# KiCad board keyboard.kicad_pcb (continued)
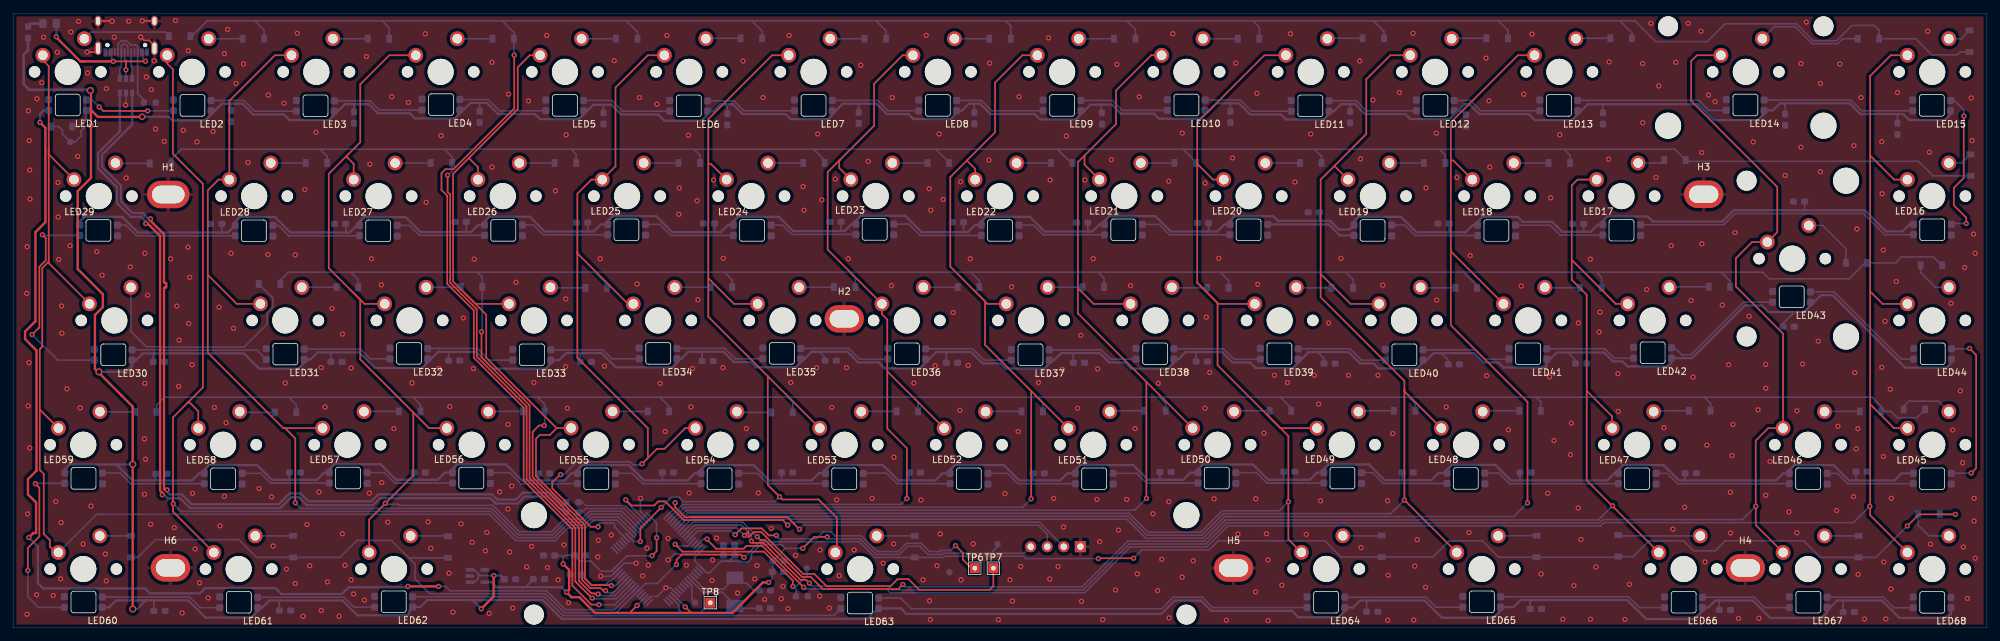
[diagram p0: board, top side]
## Nets
+3V3: C2.1 C3.2 C4.2 C5.2 C6.2 C7.2 C8.2 J2.4 TP1.1 U2.5 U3.1 U3.13 U3.19 U3.32 U3.48 U3.64
+5V: C1.1 C9.2 C10.2 C11.2 C12.2 C13.2 C14.2 C15.2 C16.2 C17.2 C18.2 C19.2 C20.2 C21.2 C22.2 C23.2 C24.2 C25.2 C26.2 C27.2 C28.2 C29.2 C30.2 C31.2 C32.2 C33.2 C34.2 C35.2 C36.2 C37.2 C38.2 C39.2 C40.2 C41.2 C42.2 C43.2 C44.2 C45.2 C46.2 C47.2 C48.2 C49.2 C50.2 C51.2 C52.2 C53.2 C54.2 C55.2 C56.2 C57.2 C58.2 C59.2 C60.2 C61.2 C62.2 C63.2 C64.2 C65.2 C66.2 C67.2 C68.2 D1.1 D_71.2 LED2.4 LED3.4 LED4.4 LED5.4 LED6.4 LED7.4 LED8.4 LED9.4 LED10.4 LED11.4 LED12.4 LED13.4 LED14.4 LED15.4 LED16.4 LED17.4 LED18.4 LED19.4 LED20.4 LED21.4 LED22.4 LED23.4 LED24.4 LED25.4 LED26.4 LED27.4 LED28.4 LED29.4 LED30.4 LED31.4 LED32.4 LED33.4 LED34.4 LED35.4 LED36.4 LED37.4 LED38.4 LED39.4 LED40.4 LED41.4 LED42.4 LED43.4 LED44.4 LED45.4 LED46.4 LED47.4 LED48.4 LED49.4 LED50.4 LED51.4 LED52.4 LED53.4 LED54.4 LED55.4 LED56.4 LED57.4 LED58.4 LED59.4 LED60.4 LED61.4 LED62.4 LED63.4 LED64.4 LED65.4 LED66.4 LED67.4 LED68.4 TP5.1 U2.1 U2.3
GND: C1.2 C2.2 C3.1 C4.1 C5.1 C6.1 C7.1 C8.1 C9.1 C10.1 C11.1 C12.1 C13.1 C14.1 C15.1 C16.1 C17.1 C18.1 C19.1 C20.1 C21.1 C22.1 C23.1 C24.1 C25.1 C26.1 C27.1 C28.1 C29.1 C30.1 C31.1 C32.1 C33.1 C34.1 C35.1 C36.1 C37.1 C38.1 C39.1 C40.1 C41.1 C42.1 C43.1 C44.1 C45.1 C46.1 C47.1 C48.1 C49.1 C50.1 C51.1 C52.1 C53.1 C54.1 C55.1 C56.1 C57.1 C58.1 C59.1 C60.1 C61.1 C62.1 C63.1 C64.1 C65.1 C66.1 C67.1 C68.1 C69.2 C70.2 C71.2 H1.1 H2.1 H3.1 H4.1 H5.1 H6.1 J1.A1 J1.A12 J1.B1 J1.B12 J1.S1 J2.1 LED1.2 LED2.2 LED3.2 LED4.2 LED5.2 LED6.2 LED7.2 LED8.2 LED9.2 LED10.2 LED11.2 LED12.2 LED13.2 LED14.2 LED15.2 LED16.2 LED17.2 LED18.2 LED19.2 LED20.2 LED21.2 LED22.2 LED23.2 LED24.2 LED25.2 LED26.2 LED27.2 LED28.2 LED29.2 LED30.2 LED31.2 LED32.2 LED33.2 LED34.2 LED35.2 LED36.2 LED37.2 LED38.2 LED39.2 LED40.2 LED41.2 LED42.2 LED43.2 LED44.2 LED45.2 LED46.2 LED47.2 LED48.2 LED49.2 LED50.2 LED51.2 LED52.2 LED53.2 LED54.2 LED55.2 LED56.2 LED57.2 LED58.2 LED59.2 LED60.2 LED61.2 LED62.2 LED63.2 LED64.2 LED65.2 LED66.2 LED67.2 LED68.2 R1.1 R4.1 TP4.1 U1.2 U2.2 U3.12 U3.18 U3.31 U3.47 U3.63
VBUS: F1.1 J1.A4 J1.A9 J1.B4 J1.B9 U1.5
BOOT0: R4.2 TP2.1 U3.60
col0: K_0.1 K_15.1 K_30.1 K_44.1 K_59.1 U3.40
col1: K_1.1 K_45.1 K_60.1 U3.41
col2: K_2.1 K_16.1 K_31.1 K_46.1 U3.42
col3: K_3.1 K_17.1 K_32.1 K_47.1 K_61.1 U3.43
col4: K_4.1 K_18.1 K_33.1 K_48.1 U3.28
col5: K_5.1 K_19.1 K_34.1 K_49.1 U3.38
col6: K_6.1 K_20.1 K_35.1 K_50.1 K_62.1 U3.39
col7: K_7.1 K_21.1 K_36.1 K_51.1 U3.50
col8: K_8.1 K_22.1 K_37.1 K_52.1 U3.51
col9: K_9.1 K_23.1 K_38.1 K_53.1 U3.52
col10: K_10.1 K_24.1 K_39.1 K_54.1 K_63.1 U3.53
col11: K_11.1 K_25.1 K_40.1 K_55.1 K_64.1 U3.54
col12: K_12.1 K_26.1 K_41.1 U3.55
col13: K_27.1 K_42.1 K_56.1 K_65.1 U3.56
col14: K_13.1 K_28.1 K_57.1 K_66.1 U3.57
col15: K_14.1 K_29.1 K_43.1 K_58.1 K_67.1 U3.62
D+: R3.1 U1.1
D-: R2.2 U1.3
LED-IN: LED1.3 U3.23
MCU-D+: R3.2 U3.45
MCU-D-: R2.1 U3.44
NRST: TP3.1 U3.7
OSC_IN: C70.1 U3.5 Y1.1
OSC_OUT: C71.1 U3.6 Y1.2
row0: D_0.1 D_1.1 D_2.1 D_3.1 D_4.1 D_5.1 D_6.1 D_7.1 D_8.1 D_9.1 D_10.1 D_11.1 D_12.1 D_13.1 D_14.1 U3.24
row1: D_15.1 D_16.1 D_17.1 D_18.1 D_19.1 D_20.1 D_21.1 D_22.1 D_23.1 D_24.1 D_25.1 D_26.1 D_27.1 D_29.1 U3.25
row2: D_28.1 D_30.1 D_31.1 D_32.1 D_33.1 D_34.1 D_35.1 D_36.1 D_37.1 D_38.1 D_39.1 D_40.1 D_41.1 D_42.1 D_43.1 U3.26
row3: D_44.1 D_45.1 D_46.1 D_47.1 D_48.1 D_49.1 D_50.1 D_51.1 D_52.1 D_53.1 D_54.1 D_55.1 D_56.1 D_57.1 D_58.1 U3.27
row4: D_59.1 D_60.1 D_61.1 D_62.1 D_63.1 D_64.1 D_65.1 D_66.1 D_67.1 U3.22
SCL: TP7.1 U3.58
SDA: TP6.1 U3.59
SWCLK: J2.3 U3.49
SWDIO: J2.2 U3.46
TIM2_1: TP8.1 U3.14
VCAP: C69.1 U3.30
Net-(D1-Pad2): D1.2 F1.2
Net-(D_0-Pad2): D_0.2 K_0.2
Net-(D_1-Pad2): D_1.2 K_1.2
Net-(D_2-Pad2): D_2.2 K_2.2
Net-(D_3-Pad2): D_3.2 K_3.2
Net-(D_4-Pad2): D_4.2 K_4.2
Net-(D_5-Pad2): D_5.2 K_5.2
Net-(D_6-Pad2): D_6.2 K_6.2
Net-(D_7-Pad2): D_7.2 K_7.2
Net-(D_8-Pad2): D_8.2 K_8.2
Net-(D_9-Pad2): D_9.2 K_9.2
Net-(D_10-Pad2): D_10.2 K_10.2
Net-(D_11-Pad2): D_11.2 K_11.2
Net-(D_12-Pad2): D_12.2 K_12.2
Net-(D_13-Pad2): D_13.2 K_13.2
Net-(D_14-Pad2): D_14.2 K_14.2
Net-(D_15-Pad2): D_15.2 K_15.2
Net-(D_16-Pad2): D_16.2 K_16.2
Net-(D_17-Pad2): D_17.2 K_17.2
Net-(D_18-Pad2): D_18.2 K_18.2
Net-(D_19-Pad2): D_19.2 K_19.2
Net-(D_20-Pad2): D_20.2 K_20.2
Net-(D_21-Pad2): D_21.2 K_21.2
Net-(D_22-Pad2): D_22.2 K_22.2
Net-(D_23-Pad2): D_23.2 K_23.2
Net-(D_24-Pad2): D_24.2 K_24.2
Net-(D_25-Pad2): D_25.2 K_25.2
Net-(D_26-Pad2): D_26.2 K_26.2
Net-(D_27-Pad2): D_27.2 K_27.2
Net-(D_28-Pad2): D_28.2 K_28.2
Net-(D_29-Pad2): D_29.2 K_29.2
Net-(D_30-Pad2): D_30.2 K_30.2
Net-(D_31-Pad2): D_31.2 K_31.2
Net-(D_32-Pad2): D_32.2 K_32.2
Net-(D_33-Pad2): D_33.2 K_33.2
Net-(D_34-Pad2): D_34.2 K_34.2
Net-(D_35-Pad2): D_35.2 K_35.2
Net-(D_36-Pad2): D_36.2 K_36.2
Net-(D_37-Pad2): D_37.2 K_37.2
Net-(D_38-Pad2): D_38.2 K_38.2
Net-(D_39-Pad2): D_39.2 K_39.2
Net-(D_40-Pad2): D_40.2 K_40.2
Net-(D_41-Pad2): D_41.2 K_41.2
Net-(D_42-Pad2): D_42.2 K_42.2
Net-(D_43-Pad2): D_43.2 K_43.2
Net-(D_44-Pad2): D_44.2 K_44.2
Net-(D_45-Pad2): D_45.2 K_45.2
Net-(D_46-Pad2): D_46.2 K_46.2
Net-(D_47-Pad2): D_47.2 K_47.2
Net-(D_48-Pad2): D_48.2 K_48.2
Net-(D_49-Pad2): D_49.2 K_49.2
Net-(D_50-Pad2): D_50.2 K_50.2
Net-(D_51-Pad2): D_51.2 K_51.2
Net-(D_52-Pad2): D_52.2 K_52.2
Net-(D_53-Pad2): D_53.2 K_53.2
Net-(D_54-Pad2): D_54.2 K_54.2
Net-(D_55-Pad2): D_55.2 K_55.2
Net-(D_56-Pad2): D_56.2 K_56.2
Net-(D_57-Pad2): D_57.2 K_57.2
Net-(D_58-Pad2): D_58.2 K_58.2
Net-(D_59-Pad2): D_59.2 K_59.2
Net-(D_60-Pad2): D_60.2 K_60.2
Net-(D_61-Pad2): D_61.2 K_61.2
Net-(D_62-Pad2): D_62.2 K_62.2
Net-(D_63-Pad2): D_63.2 K_63.2
Net-(D_64-Pad2): D_64.2 K_64.2
Net-(D_65-Pad2): D_65.2 K_65.2
Net-(D_66-Pad2): D_66.2 K_66.2
Net-(D_67-Pad2): D_67.2 K_67.2
Net-(D_71-Pad1): D_71.1 LED1.4
Net-(J1-PadA5): J1.A5 J1.B5 R1.2
Net-(J1-PadA6): J1.A6 J1.B6 U1.6
Net-(J1-PadA7): J1.A7 J1.B7 U1.4
Net-(LED1-Pad1): LED1.1 LED2.3
Net-(LED2-Pad1): LED2.1 LED3.3
Net-(LED3-Pad1): LED3.1 LED4.3
Net-(LED4-Pad1): LED4.1 LED5.3
Net-(LED5-Pad1): LED5.1 LED6.3
Net-(LED6-Pad1): LED6.1 LED7.3
Net-(LED7-Pad1): LED7.1 LED8.3
Net-(LED8-Pad1): LED8.1 LED9.3
Net-(LED10-Pad1): LED10.1 LED11.3
Net-(LED10-Pad3): LED9.1 LED10.3
Net-(LED11-Pad1): LED11.1 LED12.3
Net-(LED12-Pad1): LED12.1 LED13.3
Net-(LED13-Pad1): LED13.1 LED14.3
Net-(LED14-Pad1): LED14.1 LED15.3
Net-(LED15-Pad1): LED15.1 LED16.3
Net-(LED16-Pad1): LED16.1 LED17.3
Net-(LED17-Pad1): LED17.1 LED18.3
Net-(LED18-Pad1): LED18.1 LED19.3
Net-(LED19-Pad1): LED19.1 LED20.3
Net-(LED20-Pad1): LED20.1 LED21.3
Net-(LED21-Pad1): LED21.1 LED22.3
Net-(LED22-Pad1): LED22.1 LED23.3
Net-(LED23-Pad1): LED23.1 LED24.3
Net-(LED24-Pad1): LED24.1 LED25.3
Net-(LED25-Pad1): LED25.1 LED26.3
Net-(LED26-Pad1): LED26.1 LED27.3
Net-(LED27-Pad1): LED27.1 LED28.3
Net-(LED28-Pad1): LED28.1 LED29.3
Net-(LED29-Pad1): LED29.1 LED30.3
Net-(LED30-Pad1): LED30.1 LED31.3
Net-(LED31-Pad1): LED31.1 LED32.3
Net-(LED32-Pad1): LED32.1 LED33.3
Net-(LED33-Pad1): LED33.1 LED34.3
Net-(LED34-Pad1): LED34.1 LED35.3
Net-(LED35-Pad1): LED35.1 LED36.3
Net-(LED36-Pad1): LED36.1 LED37.3
Net-(LED37-Pad1): LED37.1 LED38.3
Net-(LED38-Pad1): LED38.1 LED39.3
Net-(LED39-Pad1): LED39.1 LED40.3
Net-(LED40-Pad1): LED40.1 LED41.3
Net-(LED41-Pad1): LED41.1 LED42.3
Net-(LED42-Pad1): LED42.1 LED43.3
Net-(LED43-Pad1): LED43.1 LED44.3
Net-(LED44-Pad1): LED44.1 LED45.3
Net-(LED45-Pad1): LED45.1 LED46.3
Net-(LED46-Pad1): LED46.1 LED47.3
Net-(LED47-Pad1): LED47.1 LED48.3
Net-(LED48-Pad1): LED48.1 LED49.3
Net-(LED49-Pad1): LED49.1 LED50.3
Net-(LED50-Pad1): LED50.1 LED51.3
Net-(LED51-Pad1): LED51.1 LED52.3
Net-(LED52-Pad1): LED52.1 LED53.3
Net-(LED53-Pad1): LED53.1 LED54.3
Net-(LED54-Pad1): LED54.1 LED55.3
Net-(LED55-Pad1): LED55.1 LED56.3
Net-(LED56-Pad1): LED56.1 LED57.3
Net-(LED57-Pad1): LED57.1 LED58.3
Net-(LED58-Pad1): LED58.1 LED59.3
Net-(LED59-Pad1): LED59.1 LED60.3
Net-(LED60-Pad1): LED60.1 LED61.3
Net-(LED61-Pad1): LED61.1 LED62.3
Net-(LED62-Pad1): LED62.1 LED63.3
Net-(LED63-Pad1): LED63.1 LED64.3
Net-(LED64-Pad1): LED64.1 LED65.3
Net-(LED65-Pad1): LED65.1 LED66.3
Net-(LED66-Pad1): LED66.1 LED67.3
Net-(LED67-Pad1): LED67.1 LED68.3

Pads without a net: J1 A8 B8; LED68 1; U2 4; U3 2 3 4 8 9 10 11 15 16 17 20 21 29 33 34 35 36 37 61

## Via types
v1: diameter 0.8, hole 0.4, Top to Bottom, 577 vias
v2: diameter 1, hole 0.6, Top to Bottom, 1 via
v3: diameter 1.1, hole 0.7, Top to Bottom, 4 vias

## Routing (per net, layer and track width the routed paths; a pad name or vN(x,y) marks a point on that pad's centre or on a via; arc(x,y) is an arc through that point)
+3V3: length 159.6
  Top w0.25: v1(103.03,3.22) 103.95,2.3 104.03,2.3 ; v1(98.63,13.83) 98.63,11.76 v1(97.93,11.06) ; 94.74,2.3 94.74,2.55 v1(95.63,3.44) ; v1(121.03,12.2) 122.77,13.94 v1(124.78,13.94)
  Top w0.35: v1(84.3,9.82) 85.22,8.89 85.22,5.86 v1(84.84,5.47) 85.6,4.71 86.8,4.71 89.21,2.3 110.24,2.3 114.91,6.97 v1(115.8,6.97)
  Bottom w0.25: 84.3,10.83 84.61,11.14 C8.2 86.95,10.22 88.57,10.22 90.09,8.7 91.72,8.7 U3.32 94.09,11.06 97.46,11.06 ; 84.3,10.83 v1(84.3,9.82) ; 84.3,10.83 84.03,11.11 C2.1 ; 149.1,11.44 149.86,11.44 150.88,12.46 TP1.1 ; 149.1,11.44 154.94,11.44 J2.4 ; 149.1,11.44 142.56,11.44 142.38,11.26 140.2,11.26 138.94,12.52 137.1,12.52 135.83,11.26 132.27,11.26 129.85,13.67 125.06,13.67 v1(124.78,13.94) ; v1(115.8,6.97) 116.36,7.53 C3.2 116.46,8.7 C6.2 118.34,12.2 ; 97.92,11.06 97.46,11.06 ; 97.46,11.06 v1(97.93,11.06) ; U3.13 101.31,4.94 v1(103.03,3.22) ; 109.09,10.22 108.53,10.22 106.76,8.44 106.3,8.44 105.56,9.18 U3.1 104.47,10.25 104.47,10.86 105.51,11.91 ; 109.09,10.22 111.57,10.22 111.73,10.07 112.6,10.07 113.16,10.63 113.16,11.31 114.61,12.77 117.77,12.77 118.34,12.2 ; 109.09,10.22 109.7,10.22 C4.2 C5.2 ; 118.34,12.2 v1(121.03,12.2) ; U3.19 96.78,4.59 v1(95.63,3.44) ; 78.03,6.24 78.51,6.24 79.73,7.45 C7.2 ; U3.48 98.62,16.1 98.62,13.84 v1(98.63,13.83)
  Bottom w0.35: v1(84.84,5.47) 84.07,6.24 74.11,6.24 73.33,7.02 U2.5
+5V: length 1797.6
  Top w0.35: v3(11.84,82.37) 11.94,82.27 11.94,79.4 ; v1(73.68,8.03) 73.66,8.01 73.66,4.84 v1(71.75,2.93) ; 11.94,79.4 11.94,79.39 13,78.32 19.76,78.32 v2(19.79,78.35) ; 11.94,79.4 v1(11.94,77.02) 11.94,68.97 9.91,66.94 v1(9.91,64.05) 9.91,55 13.77,51.14 13.77,49.19 12.55,47.97 12.55,39.71 13.08,39.18 ; 13.08,39.18 v3(13.16,39.26) ; 13.08,39.18 18.34,33.92 v3(18.34,25.08) v3(18.34,2.91)
  Bottom w0.25: C19.2 222.06,79.26 LED12.4 ; 51.04,60.61 50.99,60.65 C24.2 ; 271.33,80.41 271.59,80.15 C21.2 ; C37.2 183.23,61.01 182.99,60.76 ; 186.57,80.41 186.56,80.4 C10.2 ; 145.67,60.66 145.67,60.66 C32.2 ; C14.2 71.5,80.4 71.57,80.47 ; C39.2 239.45,41.04 238.54,41.95 238.54,42.21 ; C35.2 164.72,60.99 164.95,60.76 ; 166.77,80.2 166.77,79.05 C11.2 ; 33.33,80.35 33.33,79.39 C15.2 ; 107.56,60.66 107.51,60.72 C36.2 ; 288.8,77.36 288.8,78.69 288.87,78.76 ; C52.2 143.03,42.09 142.83,42.29 ; 90.51,80.17 90.49,80.15 C17.2 ; 108.97,80.28 109.09,80.28 109.47,79.9 C16.2 ; 261.37,4.21 261.48,4.1 C65.2 ; C53.2 219.95,41.04 218.89,42.11 ; C59.2 137.34,22.68 137.41,22.61 ; 71.18,8.43 71.58,8.03 v1(73.68,8.03) ; 71.18,8.43 70.69,8.92 U2.3 ; 71.18,8.43 71.29,8.32 71.29,7.58 70.73,7.02 U2.1 ; 22.03,22.61 21.9,22.74 C41.2 ; C28.2 220.09,60.91 220.35,60.65 ; C30.2 21.49,41.95 21.62,42.08 ; 42.38,22.71 42.34,22.75 C47.2 ; D_71.2 6.98,76.85 7.58,76.25 7.58,75.69 TP5.1 9.53,74.49 10.43,75.39 10.43,76.16 11.29,77.02 v1(11.94,77.02) ; C60.2 212.88,22.72 212.95,22.65 ; C56.2 21.58,4.13 21.68,4.24 ; C51.2 99.49,22.76 99.64,22.61 ; 147.06,80.35 147.32,80.09 C12.2 ; 240.92,60.72 240.73,60.91 C31.2 ; 243.54,80.26 243.65,80.15 C23.2 ; 274.5,64.01 274.57,64.08 274.57,65.35 ; 127.42,60.81 127.09,60.81 126.91,60.99 126.91,62.24 ; 230.96,22.61 230.94,22.63 C66.2 ; C58.2 256.25,22.77 256.09,22.61 ; C63.2 117.78,22.61 117.78,22.61 ; 194.72,22.71 194.74,22.73 C57.2 ; C46.2 162.49,42.02 162.6,42.13 ; C42.2 124.45,41.44 123.56,42.34 122.78,42.34 ; C29.2 88.07,60.85 88.16,60.76 ; 156.54,22.61 156.33,22.82 C54.2 ; C44.2 80.51,22.82 80.46,22.77 80.46,22.61 ; 87.02,42.13 87.02,41.94 86.92,41.85 C45.2 ; 48.89,42.23 48.7,42.05 C27.2 ; C50.2 181.32,42.24 181.28,42.29 ; C26.2 200.22,62.49 200.31,62.4 ; 274.5,48.42 273.03,48.42 271.26,46.65 C43.2 ; 105.7,42.34 105.59,42.23 C49.2 ; 32.11,60.61 32,60.72 C20.2 ; 232.8,4.27 232.53,4 C64.2 ; C62.2 280.47,4.07 280.61,4.21 ; 61.37,22.71 61.46,22.79 C48.2 ; C68.2 207.44,3.88 207.77,4.2 ; 175.86,22.71 175.76,22.82 C55.2 ; C40.2 200.9,41.3 199.92,42.29 ; 66.75,42.31 66.74,42.3 C25.2 ; 69.23,60.67 69.47,60.91 C33.2 ; 205.18,80.28 204.91,80.02 C9.2 ; C13.2 129.6,80.28 129.53,80.35 ; 52.07,80.28 52.26,80.09 C18.2 ; 40.95,4.2 40.82,4.07 C67.2 ; 282.5,22.61 282.44,22.68 C61.2
  Bottom w0.35: LED68.4 296.99,2.11 296.42,1.54 289.11,1.54 286.43,4.21 279.56,4.21 278.47,3.12 LED67.4 278,2.35 277.19,1.54 269.29,1.54 266.62,4.21 260.91,4.21 259.82,3.12 LED66.4 258.89,2.57 257.67,1.36 250.3,1.36 247.38,4.27 231.03,4.27 229.95,3.19 LED65.4 227.97,2.64 226.89,1.56 218.98,1.56 216.34,4.2 206.42,4.2 205.34,3.12 LED64.4 204.09,2.57 203.15,1.64 196.98,1.64 195.99,2.62 183.63,2.62 182.04,4.21 178.04,4.21 175.98,2.16 136.92,2.16 136.08,3 LED63.4 132.58,3 130.99,1.41 84.07,1.41 81.19,4.29 69.55,4.29 ; 10.93,63.01 16.74,63.01 19.13,60.61 32.96,60.61 LED28.4 34.05,62.25 34.78,62.98 40.13,62.98 42.49,60.62 48.29,60.62 48.29,60.61 51.58,60.61 52.67,61.7 LED27.4 53.1,62.25 53.81,62.96 60.17,62.96 62.45,60.67 70.18,60.67 71.27,61.76 LED26.4 72.28,62.31 72.99,63.02 79.2,63.02 81.46,60.76 88.97,60.76 90.06,61.85 LED25.4 91.15,62.4 91.86,63.11 98.57,63.11 101.02,60.66 108.48,60.66 109.56,61.75 LED24.4 110.4,62.3 111.11,63.01 117.36,63.01 119.56,60.81 127.42,60.81 128.51,61.9 LED23.4 129.2,62.45 129.92,63.17 136.76,63.17 139.27,60.66 146.32,60.66 147.41,61.75 LED22.4 148.4,62.3 149.11,63.01 155.84,63.01 157.45,61.39 157.45,61.37 158.07,60.76 165.42,60.76 166.51,61.85 LED21.4 167.3,62.4 168.01,63.11 175.07,63.11 177.42,60.76 184.57,60.76 185.66,61.85 LED20.4 186.5,62.4 187.21,63.11 193.11,63.11 193.82,62.4 201.87,62.4 203.19,61.07 204.83,61.07 LED19.4 205.5,62.3 206.21,63.01 212.72,63.01 215.08,60.65 222.61,60.65 223.7,61.73 LED18.4 224.47,62.28 225.18,63 230.61,63 231.38,62.23 235.9,62.23 237.41,60.72 241.78,60.72 242.86,61.8 LED17.4 243.65,62.35 244.36,63.06 250.52,63.06 251.28,62.3 261.98,62.3 263.7,64.01 283.8,64.01 287.04,60.77 289.59,60.77 290.68,61.86 LED16.4 ; 10.93,63.01 10.93,63.02 v1(9.91,64.05) ; 10.93,63.01 10.22,62.3 LED29.4 ; LED44.4 297.07,40.65 296.31,39.89 289.99,39.89 278.87,51.01 277.09,51.01 276,49.92 275.45,49.92 275.45,49.37 274.5,48.42 269.01,48.42 268.01,49.42 265.39,49.42 257.31,41.35 LED42.4 254.14,40.61 253.62,40.09 247.42,40.09 246.66,40.85 245.19,40.85 243.84,42.21 236.6,42.21 235.59,41.2 LED41.4 235.04,40.16 234.8,39.91 228.45,39.91 227.66,40.7 225.33,40.7 223.91,42.13 223.04,42.13 223.02,42.11 217.7,42.11 216.64,41.05 LED40.4 216.09,40.75 215.12,39.78 209.28,39.78 208.51,40.55 206.43,40.55 204.69,42.29 198.46,42.29 198.45,42.28 198.45,42.16 197.49,41.2 LED39.4 196.94,40.65 196.13,39.84 190.42,39.84 189.56,40.7 186.88,40.7 185.29,42.29 179.71,42.29 178.62,41.2 LED38.4 177.89,40.65 176.98,39.74 171.32,39.74 170.36,40.7 167.98,40.7 166.54,42.13 160.66,42.13 159.57,41.05 LED37.4 158.79,40.5 158.05,39.76 152.1,39.76 151.31,40.55 148.57,40.55 146.83,42.29 141.48,42.29 140.39,41.2 LED36.4 139.84,40.65 138.98,39.79 133.57,39.79 132.66,40.7 129.52,40.7 127.89,42.34 122.4,42.34 121.32,41.25 LED35.4 120.69,40.7 119.95,39.96 113.79,39.96 113.01,40.75 110.47,40.75 108.89,42.34 103.5,42.34 102.42,41.25 LED34.4 101.74,40.61 101.07,39.94 92.38,39.94 90.19,42.13 84.76,42.13 83.67,41.05 LED33.4 82.38,40.5 81.63,39.74 73.54,39.74 70.96,42.31 65.15,42.31 64.09,41.25 LED32.4 63.54,40.7 62.68,39.84 55.45,39.84 53.06,42.23 46.66,42.23 45.57,41.15 LED31.4 44.59,40.6 43.73,39.74 37.72,39.74 35.38,42.08 19.88,42.08 18.85,41.05 LED30.4 18.22,40.11 17.37,39.26 v3(13.16,39.26) ; v2(19.79,78.35) 23.85,78.35 24.41,77.79 29.43,77.79 30.35,78.71 LED2.4 30.9,79.26 31.99,80.35 35.16,80.35 36.81,78.7 41.53,78.7 42.39,77.84 48.4,77.84 49.21,78.65 LED3.4 49.79,79.2 50.87,80.28 54.54,80.28 55.93,78.89 60.78,78.89 61.58,78.09 67.71,78.09 68.45,78.84 68.45,79.39 69,79.39 70.09,80.47 72.63,80.47 74.34,78.76 79.98,78.76 80.76,77.98 86.04,77.98 86.43,78.04 86.77,78.04 87.44,78.71 LED5.4 88.01,79.26 88.93,80.17 91.72,80.17 93.2,78.7 98.84,78.7 99.8,77.74 105.52,77.74 106.43,78.65 LED6.4 107.35,79.2 108.42,80.28 110.29,80.28 111.81,78.76 118.38,78.76 119.16,77.98 124.94,77.98 125.54,78.59 LED7.4 126.09,79.26 127.18,80.35 132.32,80.35 133.9,78.76 137.23,78.76 137.99,78 143.7,78 144.59,78.89 LED8.4 145.39,79.26 146.48,80.35 148.19,80.35 149.78,78.76 156.58,78.76 157.4,77.94 162.87,77.94 163.64,78.71 LED9.4 164.19,79.26 165.13,80.2 168.41,80.2 169.78,78.82 174.86,78.82 175.64,78.05 181.96,78.05 182.69,78.77 LED10.4 183.34,79.32 184.43,80.41 187.88,80.41 189.59,78.7 194.29,78.7 195.05,77.94 200.83,77.94 201.68,78.78 201.68,79.2 202.44,79.2 203.53,80.28 205.66,80.28 207.18,78.76 213.38,78.76 214.15,77.99 220.13,77.99 220.85,78.71 LED12.4 221.44,79.26 222.46,80.28 223.19,80.28 224.71,78.76 232.28,78.76 233.2,77.84 238.9,77.84 239.78,78.71 LED13.4 240.33,79.26 241.33,80.26 258.26,80.26 260.68,77.84 267.42,77.84 268.35,78.77 LED14.4 269.7,79.32 270.79,80.41 281.48,80.41 283.13,78.76 289.68,78.76 290.6,77.84 296.05,77.84 296.93,78.71 LED15.4 ; 15.42,25.06 15.82,25.06 18.27,22.61 27.45,22.61 28.54,23.7 LED58.4 29.32,24.25 30.04,24.96 37.41,24.96 39.65,22.71 46.61,22.71 46.61,22.72 47.69,23.8 LED57.4 48.48,24.35 49.21,25.08 56.33,25.08 58.7,22.71 65.09,22.71 66.18,23.8 LED56.4 67.37,24.35 68.09,25.06 75.56,25.06 78.01,22.61 84.5,22.61 85.59,23.7 LED55.4 86.53,24.25 87.24,24.96 94.35,24.96 96.7,22.61 103.4,22.61 104.48,23.7 LED54.4 105.42,24.25 106.13,24.96 113.5,24.96 115.85,22.61 122.39,22.61 123.48,23.7 LED53.4 124.52,24.25 125.24,24.97 133.31,24.97 135.67,22.61 141.34,22.61 142.43,23.7 LED52.4 143.62,24.25 144.34,24.96 151.86,24.96 154.21,22.61 160.49,22.61 161.58,23.7 LED51.4 162.83,24.25 163.54,24.96 171.69,24.96 173.61,23.04 173.61,23.02 173.92,22.71 179.34,22.71 180.43,23.8 LED50.4 181.62,24.35 182.33,25.06 190.01,25.06 192.36,22.71 198.75,22.71 199.83,23.8 LED49.4 200.88,24.35 201.59,25.06 207.79,25.06 210.2,22.65 217.38,22.65 218.47,23.74 LED48.4 219.79,24.29 220.5,25 227.16,25 229.54,22.61 244.31,22.61 245.4,23.7 LED47.4 246.04,24.25 246.75,24.96 252.95,24.96 255.3,22.61 270.22,22.61 271.31,23.7 LED46.4 272.25,24.25 272.96,24.96 279.01,24.96 281.36,22.61 288.36,22.61 289.45,23.7 LED45.4 ; 15.42,25.06 8.7,25.06 7.94,24.3 LED59.4 ; 15.42,25.06 18.31,25.06 v3(18.34,25.08) ; 69.55,4.29 63.5,4.29 62.41,3.2 LED62.4 61.2,3.09 60.68,2.57 60.68,2.22 60.4,1.94 52.76,1.94 50.5,4.2 39.27,4.2 38.18,3.11 LED61.4 37.46,2.56 36.49,1.59 29.49,1.59 26.84,4.24 20.36,4.24 ; 69.55,4.29 70.4,4.29 v1(71.75,2.93) ; 20.36,4.24 19.03,2.91 v3(18.34,2.91) ; 20.36,4.24 15.8,4.24 14.71,3.15 LED60.4 ; v1(73.68,8.03) 74.73,8.03 C1.1
  Bottom w0.425: v3(11.84,82.37) 11.74,82.47 2.48,82.47 1.62,83.34 1.62,87.85 2.31,88.54 D1.1
GND: length 34
  Top w0.25: v1(19.56,90.56) 19.56,90.56 20.08,90.04 20.87,90.04 21.67,89.24 J1.S1 ; J1.S1 15.13,93.02 v1(15.18,92.98) ; J1.S1 21.65,93.04 v1(19.81,93.04) ; v1(11.35,88.26) 12.45,88.26 J1.S1
  Bottom w0.25: C5.1 C4.1 ; v1(96.16,19.87) 96.16,17.86 U3.47 ; v1(17.25,80.12) 17.31,80.19 U1.2 ; U3.12 100.78,6.16 v1(100.05,6.16) 98.72,4.83 97.75,4.83 U3.18 ; 20.4,88.63 20.7,88.63 ; v1(90.04,7.94) 91.67,7.94 U3.31 93.65,9.92 v1(95.5,9.92) ; U3.63 105.18,12.24 104.27,11.32 101.35,11.32 100.46,10.43 v1(100.41,10.43) ; 14,88.63 14.3,88.63
  vias: v1(2.1,51.28) v1(2.16,58.43) v1(2.22,17.49) v1(2.16,2.09) v1(2.34,34.03) v1(2.35,79.26) v1(2.48,74.69) v1(2.54,70.18) v1(2.45,40.65) v1(2.6,65.73) v1(2.57,27.6) v1(3.62,5.09) v1(3.67,81.11) v1(4.39,83.58) v1(4.67,90.52) v1(6.16,4.97) v1(6.54,19.38) v1(6.77,88.23) v1(6.88,68.26) v1(6.91,62.98) v1(6.98,56.48) v1(7.29,7.53) v1(7.43,49.35) v1(7.37,16.14) v1(7.49,45.16) v1(8.26,36.65) v1(8.74,58.58) v1(8.86,91.35) v1(9.91,72.28) v1(10.03,92.96) v1(10.29,33.73) v1(10.74,12.86) v1(11.42,85.06) v1(11.94,18.68) v1(12.83,57.67) v1(13.65,54.05) v1(14.15,11.34) v1(14.31,82.67) v1(14.3,7.23) v1(15.52,90.54) v1(17.34,68.97) v1(17.72,92.98) v1(17.97,55.32) v1(20.13,28.97) v1(20.14,20.48) v1(20.19,57.42) v1(20.19,37.48) v1(20.29,25.87) v1(20.42,84.45) v1(20.64,51) v1(21.08,15.89) v1(21.21,82.51) v1(21.62,86.92) v1(21.84,76.47) v1(23.18,74.56) v1(24.16,56.58) v1(24.7,15.38) v1(24.9,93.09) v1(25.1,49.34) v1(25.37,37.02) v1(25.45,44.11) v1(25.91,2.3) v1(26.1,76.28) v1(26.8,58.36) v1(26.86,88.47) v1(26.92,46.65) v1(27.08,53.73) v1(27.43,40.35) v1(27.51,20.64) v1(27.91,12.1) v1(28.19,74.5) v1(28.57,6.92) v1(29.9,4.6) v1(30.67,76.09) v1(30.86,33.79) v1(31.56,49.16) v1(31.72,15.66) v1(32.38,88.02) v1(32.38,20.18) v1(32.64,31.44) v1(32.87,91.73) v1(33.4,57.42) v1(33.78,45.92) v1(34.16,83.45) v1(35.31,86.44) v1(36,71.32) v1(37.69,21.37) v1(39.12,81.67) v1(39.05,57.23) v1(39.62,20.08) v1(39.85,12.56) v1(41.53,80.4) v1(41.72,37.54) v1(41.91,9.03) v1(43.24,57.16) v1(43.24,6.81) v1(43.56,91.13) v1(44.45,1.79) v1(44.7,67.2) v1(45.03,15.86) v1(45.47,9.54) v1(46.42,75.96) v1(46.89,20.81) v1(47.22,39.92) v1(47.24,2.68) v1(47.82,33.86) v1(48.2,7.06) v1(48.9,48.97) v1(49.97,1.79) v1(50.48,45.03) v1(50.47,14.44) v1(50.86,9.6) v1(51.82,39.84) v1(51.82,7.38) v1(52.2,5.22) v1(53.85,4.27) v1(54.17,87.58) v1(54.61,20.66) v1(54.67,71.07) v1(54.93,56.59) v1(56.45,52.59) v1(56.52,22.29) v1(57.43,16.22) v1(58.04,81.42) v1(58.36,30.56) v1(60.58,80.53) v1(61.15,37.54) v1(63.18,91.07) v1(63.31,65.23) v1(63.63,16.27) v1(64.03,12.2) v1(65.28,39.76) v1(65.6,75.45) v1(66.8,8.39) v1(66.93,33.92) v1(67.44,2.43) v1(68.66,15.96) v1(69.02,47.51) v1(70.36,13.12) v1(70.56,39.76) v1(70.68,56.53) v1(72.39,11.82) v1(72.62,14.64) v1(72.96,2.23) v1(73.41,86.69) v1(73.41,70.62) v1(74.57,20.87) v1(75.84,18.22) v1(75.95,81.8) v1(75.88,31.19) v1(76.1,11.64) v1(76.43,21.75) v1(76.58,3.06) v1(77.09,52.97) v1(78.71,9.36) v1(78.99,80.78) v1(79.47,12.5) v1(79.82,37.6) v1(81.79,90.82) v1(81.9,9.26) v1(83.12,67) v1(83.54,7.38) v1(84.45,12.74) v1(84.71,50.43) v1(84.68,40.04) v1(84.77,75.58) v1(84.96,33.67) v1(85.13,3.88) v1(89.62,10.89) v1(89.7,13.43) v1(89.98,56.59) v1(90.63,40.12) v1(91.69,14.24) v1(92.14,86.94) v1(95.63,52.72) v1(96.01,81.29) v1(96.49,7.99) v1(97.16,12.2) v1(97.36,9.61) v1(98.68,80.28) v1(99.19,37.48) v1(99.95,30.11) v1(100.2,90.82) v1(100.41,13.73) v1(102.04,63.39) v1(102.11,67.45) v1(103.2,9.61) v1(103.5,75.51) v1(103.61,20.69) v1(103.89,33.86) v1(104.14,39.76) v1(104.84,65.48) v1(104.97,50.3) v1(107.11,7.28) v1(107.19,10.43) v1(107.37,68.64) v1(107.82,13.78) v1(108.84,56.65) v1(108.79,39.89) v1(111.02,5.35) v1(111.89,86.88) v1(112.4,30.56) v1(113.67,7.53) v1(114.02,9.56) v1(114.22,20.69) v1(114.94,81.29) v1(115.19,4.38) v1(116.21,15.25) v1(117.73,4.48) v1(117.98,6.36) v1(118.75,2.96) v1(118.94,90.82) v1(119.19,37.6) v1(119.91,11.14) v1(121.09,67.64) v1(121.22,64.02) v1(123.14,39.89) v1(123.32,75.7) v1(123.62,4.89) v1(123.7,11.95) v1(123.95,65.61) v1(125.09,3.06) v1(125.48,33.79) v1(126.01,68.8) v1(126.24,19.65) v1(126.62,8.01) v1(127.74,39.89) v1(128.02,56.59) v1(128.91,11.95) v1(129.92,86.25) v1(131.06,71.51) v1(131.65,19.85) v1(133.35,9.92) v1(133.48,1.28) v1(134.62,52.46) v1(134.75,81.29) v1(135,26.17) v1(134.96,12.9) v1(138.05,37.54) v1(139.14,19.62) v1(139.45,7.38) v1(139.95,90.82) v1(140.4,67.32) v1(140.45,4.15) v1(140.59,1.28) v1(140.65,64.02) v1(141.33,40.19) v1(141.61,9.54) v1(141.92,75.7) v1(142.11,14.41) v1(142.56,65.67) v1(144.08,48.34) v1(145.1,33.35) v1(145.21,68.39) v1(145.29,7.38) v1(146.38,40.25) v1(146.69,56.59) v1(147.16,12.9) v1(149.54,71.7) v1(149.67,86.56) v1(151,1.28) v1(152.02,20.59) v1(152.78,7.38) v1(153.03,52.27) v1(153.15,4.11) v1(154.05,30.11) v1(154.18,81.42) v1(154.43,9.41) v1(157.16,37.6) v1(158.69,90.44) v1(158.94,68.66) v1(158.88,7.51) v1(159.49,19.85) v1(160.15,9.41) v1(160.81,39.61) v1(161,15.47) v1(161.42,75.39) v1(163.13,33.67) v1(163.64,44.84) v1(163.74,4.08) v1(164.26,68.64) v1(165.54,56.59) v1(166.09,19.7) v1(166.22,39.71) v1(166.52,13.22) v1(167,1.28) v1(168.34,71.77) v1(168.96,5.8) v1(169.16,86.37) v1(169.42,15) v1(170.66,19.7) v1(171.26,52.46) v1(171.96,30.56) v1(172.29,8.29) v1(172.59,81.42) v1(174.7,17.51) v1(175.41,5.73) v1(175.51,37.48) v1(176.05,10.51) v1(177.1,68.47) v1(177.11,19.37) v1(177.17,1.54) v1(177.74,91.07) v1(179.2,75.83) v1(179.17,7.78) v1(179.86,39.23) v1(180.87,10.31) v1(182.7,68.19) v1(182.69,33.67) v1(182.88,47.64) v1(183.39,39.15) v1(184.07,19.8) v1(184.78,56.65) v1(185.95,1.18) v1(186.88,72.02) v1(187.39,86.56) v1(187.73,14.39) v1(190.44,5.54) v1(190.45,19.8) v1(190.63,81.93) v1(190.75,52.65) v1(191.71,29.86) v1(192.1,14.44) v1(192.34,10.43) v1(192.35,1.13) v1(193.32,38.72) v1(194.44,6.55) v1(195.33,37.6) v1(195.77,91.07) v1(196.47,68.34) v1(198.2,14.34) v1(198.88,75.7) v1(199.44,38.72) v1(200.09,34.3) v1(200.38,19.49) v1(201.61,46.75) v1(203.52,56.65) v1(204.67,38.72) v1(206.38,86.88) v1(206.5,71.89) v1(206.58,12.31) v1(208.41,80.91) v1(209.17,38.72) v1(209.93,52.53) v1(210.67,19.49) v1(210.67,1.18) v1(210.76,8.08) v1(211.46,29.79) v1(212.47,82.05) v1(214.57,91.13) v1(214.66,1.23) v1(214.82,9.47) v1(215.2,13.54) v1(216.53,67.45) v1(216.47,6.24) v1(218.12,75.83) v1(218.19,50.24) v1(219.65,33.86) v1(221.26,69.05) v1(223.14,14.62) v1(223.33,57.07) v1(225.74,87.32) v1(225.83,38.67) v1(226.19,80.78) v1(226.31,70.62) v1(229.17,30.37) v1(231.14,52.4) v1(231.52,81.8) v1(232.79,91.01) v1(234.19,8.27) v1(235.2,20.64) v1(235.48,38.47) v1(235.65,65.93) v1(236.16,28.71) v1(237.05,75.58) v1(237.52,1.33) v1(238.7,26.56) v1(238.82,31.38) v1(239.2,6.49) v1(239.9,46.75) v1(239.88,18.38) v1(240.28,13.54) v1(241.74,56.53) v1(241.76,1.33) v1(242.57,9.35) v1(243.08,45.35) v1(243.21,48.4) v1(244.53,71.84) v1(244.6,86.75) v1(245.95,38.98) v1(246,33.18) v1(247.02,1.31) v1(247.71,6.68) v1(249.75,86.5) v1(249.76,77.43) v1(250.37,51.88) v1(251.02,92.66) v1(251.79,69.05) v1(252.22,83.07) v1(253.01,30.7) v1(254.13,58.58) v1(254.38,15.15) v1(254.83,86.69) v1(256.18,18.5) v1(256.73,92.66) v1(257.17,50.2) v1(257.48,38.47) v1(258.7,91.45) v1(258.8,72.86) v1(258.83,58.88) v1(259.31,10.12) v1(259.59,28.02) v1(259.84,81.67) v1(260.86,80.66) v1(261.95,49.49) v1(262.92,40.35) v1(263.19,20.79) v1(263.22,14.54) v1(263.46,26.43) v1(263.59,31.19) v1(263.91,60.59) v1(264.44,1.46) v1(266.06,47.76) v1(266.7,74.5) v1(267.44,33.44) v1(267.56,1.49) v1(268.6,40.4) v1(268.6,36.74) v1(268.6,20.33) v1(269.27,25.51) v1(271.59,69.35) v1(272.16,17.79) v1(273.38,33.29) v1(273.38,14.59) v1(274,86.5) v1(274,73.67) v1(274.26,40.46) v1(274.83,92.85) v1(276.67,43.95) v1(276.99,83.45) v1(276.99,69.93) v1(279.48,18) v1(279.68,30.9) v1(279.97,86.44) v1(282.12,73.93) v1(282.07,20.13) v1(282.26,39.13) v1(282.47,27.44) v1(282.57,61.16) v1(282.73,30.54) v1(282.77,8.2) v1(283.21,81.29) v1(283.74,1.38) v1(286.38,74.54) v1(286.38,39.94) v1(286.45,66.56) v1(286.64,57.92) v1(286.64,26.28) v1(286.7,10.11) v1(286.89,47) v1(287.02,1.38) v1(287.71,36.59) v1(287.78,5.98) v1(287.86,19.87) v1(288.62,53.1) v1(288.8,82.05) v1(293.45,91.45) v1(293.7,72.91) v1(293.88,12.84) v1(297,49.75) v1(297.26,30.34) v1(298.42,36.33) v1(298.78,25.31) v1(298.89,12.39) v1(299.08,55.23) v1(299.53,4.52) v1(300.1,81.24) v1(300.25,74.69) v1(300.46,60.36) v1(300.55,16.4) v1(300.56,19.87) v1(300.71,57.42) v1(300.74,10.68)
VBUS: length 24.1
  Top w0.25: 17.3,86.83 v1(17.3,85.53) ; 17.3,86.83 20.27,86.83 v1(20.29,86.85) ; 17.3,86.83 v1(15.37,86.83)
  Top w0.35: 10.81,86.83 10.31,86.83 6.62,90.52 v1(6.62,90.61) ; 10.81,86.83 v1(15.37,86.83) ; 10.81,86.83 10.36,86.83
  Bottom w0.25: 14.8,88.63 15.1,88.63 ; v1(20.29,86.85) 19.9,87.25 J1.A9 ; v1(15.37,86.83) 15.1,87.1 J1.B9 ; v1(17.3,85.53) 17.3,84.22 U1.5 ; 19.6,88.63 19.9,88.63
  Bottom w0.35: v1(6.62,90.61) 6.63,90.62 F1.1
